# Altium PCB AL1000.PcbDoc (part 1 of 8) (continued)
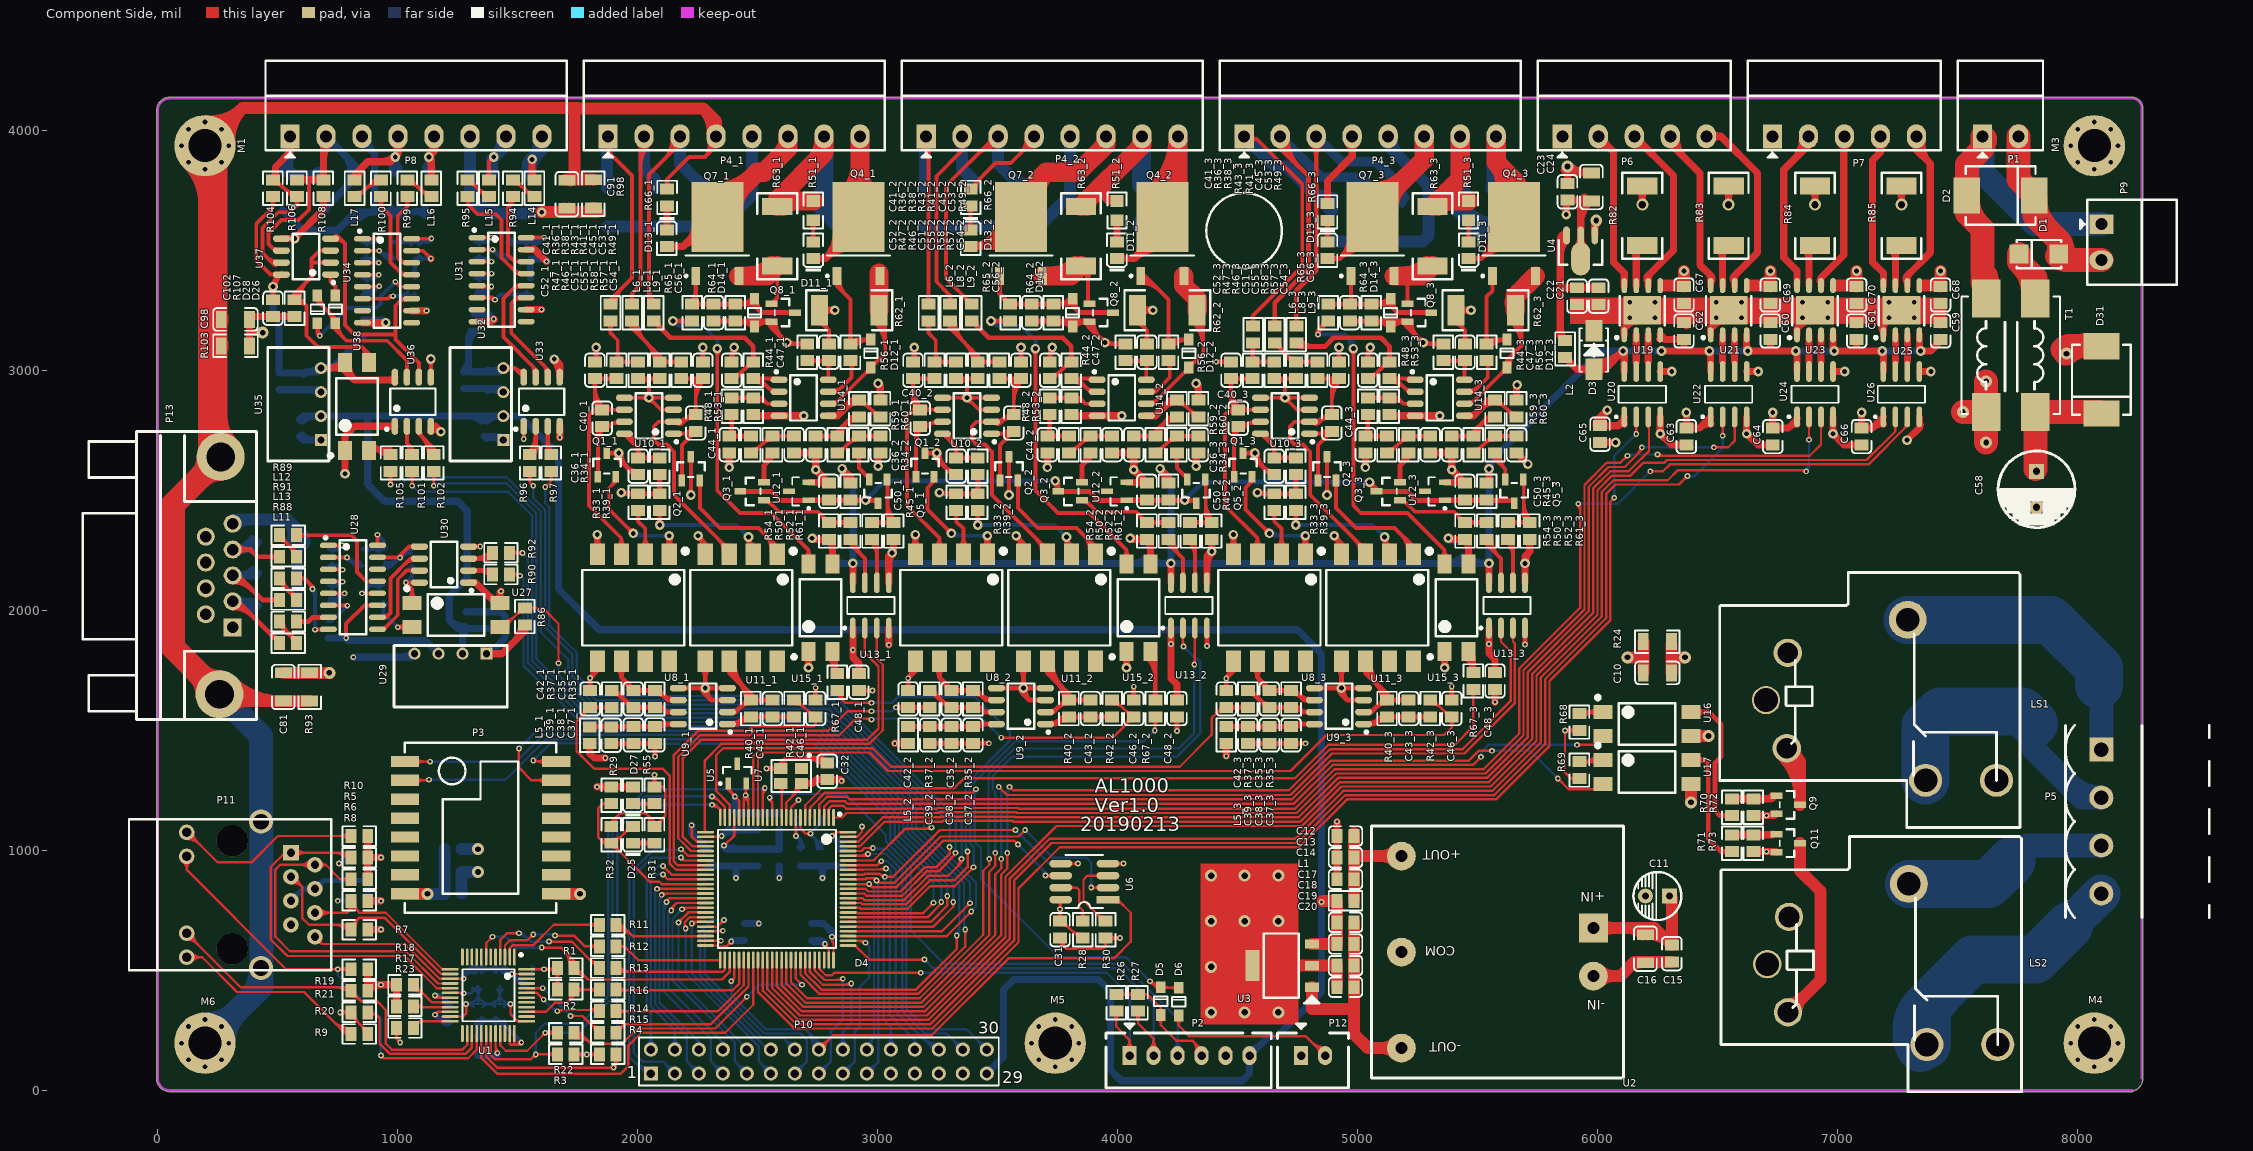
[diagram p0: Component Side view]
## Components (designator, comment, footprint, x,y, rotation, side; value= is the part's Value field where it differs from the comment)
C1 "100nF" 0805_C 840,790 r180 bottom
C2 "100nF" 0805_C 840,970 r180 bottom
C3 "100nF" 0805_C 1335,325 r270 bottom
C4 "100nF" 0805_C 1425,325 r270 bottom
C5 "100nF" 0805_C 1425,470 r90 bottom
C6 "10uF" 0805_C 1335,470 r270 bottom
C7 "100nF" 0805_C 1335,180 r90 bottom
C8 "100nF" 0805_C 1220,320 r90 bottom
C9 "100nF" 0805_C 1540,470 r270 bottom
C10 "100pF/2KV" 1206_C 6250,1740 r0 top
C11 "47uF/50V" CD1/2 6200,810 r90 top
C12 "10uF" 0805_C 4950,1060 r0 top
C13 "10uF" 0805_C 4950,970 r0 top
C14 "100nF" 0805_C 4950,880 r0 top
C15 "100nF" 0805_C 6310,570 r90 top
C16 "10uF/50V" 1206_C 6200,590 r90 top
C17 "10uF" 0805_C 4950,700 r180 top
C18 "100nF" 0805_C 4950,610 r180 top
C19 "10uF" 0805_C 4950,520 r180 top
C20 "100nF" 0805_C 4950,430 r180 top
C21 "10uF" 0805_C 6005,3310 r90 top
C22 "100nF" 0805_C 5915,3310 r90 top
C23 "100nF" 0805_C 5875,3745 r270 top
C24 "10uF/50V" 1206_C 5975,3765 r270 top
C25 "10uF" 0805_C 2500,1120 r90 bottom
C26 "100nF" 0805_C 2410,1120 r270 bottom
C27 "10uF" 0805_C 2500,970 r90 bottom
C28 "100nF" 0805_C 2410,970 r270 bottom
C29 "10pF" 0805_C 2680,970 r90 bottom
C30 "10pF" 0805_C 2770,970 r270 bottom
C31 "100nF" 0805_C 3760,670 r90 top
C32 "10nF" 0805_C 2790,1330 r270 top
C33 "10uF" 0805_C 1230,820 r180 bottom
C34 "100nF" 0805_C 1230,910 r0 bottom
C35_1 "1nF" 0805_C 1981.77,1631.42 r270 top (schematic designator C35)
C35_2 "1nF" 0805_C 3307.36,1631.42 r270 top (schematic designator C35)
C35_3 "1nF" 0805_C 4632.95,1631.42 r270 top (schematic designator C35)
C36_1 "100nF" 0805_C 2001.77,2601.42 r90 top (schematic designator C36)
C36_2 "100nF" 0805_C 3327.36,2601.42 r90 top (schematic designator C36)
C36_3 "100nF" 0805_C 4652.95,2601.42 r90 top (schematic designator C36)
C37_1 "10uF" 0805_C 2071.77,1481.42 r90 top (schematic designator C37)
C37_2 "10uF" 0805_C 3397.36,1481.42 r90 top (schematic designator C37)
C37_3 "10uF" 0805_C 4722.95,1481.42 r90 top (schematic designator C37)
C38_1 "100nF" 0805_C 1981.77,1481.42 r90 top (schematic designator C38)
C38_2 "100nF" 0805_C 3307.36,1481.42 r90 top (schematic designator C38)
C38_3 "100nF" 0805_C 4632.95,1481.42 r90 top (schematic designator C38)
C39_1 "100nF" 0805_C 1890,1480 r90 top (schematic designator C39)
C39_2 "100nF" 0805_C 3217.36,1481.42 r90 top (schematic designator C39)
C39_3 "100nF" 0805_C 4542.95,1481.42 r90 top (schematic designator C39)
C40_1 "1nF" 0805_C 1851.77,2801.38 r270 top (schematic designator C40)
C40_2 "1nF" 0805_C 3177.36,2801.38 r270 top (schematic designator C40)
C40_3 "1nF" 0805_C 4502.95,2801.38 r270 top (schematic designator C40)
C41_1 "10uF" 0805_C 1821.77,3001.42 r270 top (schematic designator C41)
C41_2 "10uF" 0805_C 3147.36,3001.42 r270 top (schematic designator C41)
C41_3 "10uF" 0805_C 4472.95,3001.42 r270 top (schematic designator C41)
C42_1 "100nF" 0805_C 1801.77,1631.42 r270 top (schematic designator C42)
C42_2 "100nF" 0805_C 3127.36,1631.42 r270 top (schematic designator C42)
C42_3 "100nF" 0805_C 4452.95,1631.42 r270 top (schematic designator C42)
C43_1 "1nF" 0805_C 2561.77,1591.42 r270 top (schematic designator C43)
C43_2 "1nF" 0805_C 3887.36,1591.42 r270 top (schematic designator C43)
C43_3 "1nF" 0805_C 5212.95,1591.42 r270 top (schematic designator C43)
C44_1 "1nF" 0805_C 2241.77,2781.42 r270 top (schematic designator C44)
C44_2 "1nF" 0805_C 3567.36,2781.42 r270 top (schematic designator C44)
C44_3 "1nF" 0805_C 4892.95,2781.42 r270 top (schematic designator C44)
C45_1 "100nF" 0805_C 2271.77,3001.42 r270 top (schematic designator C45)
C45_2 "100nF" 0805_C 3597.36,3001.42 r270 top (schematic designator C45)
C45_3 "100nF" 0805_C 4922.95,3001.42 r270 top (schematic designator C45)
C46_1 "100nF" 0805_C 2741.77,1591.42 r270 top (schematic designator C46)
C46_2 "100nF" 0805_C 4067.36,1591.42 r270 top (schematic designator C46)
C46_3 "100nF" 0805_C 5392.95,1591.42 r270 top (schematic designator C46)
C47_1 "100nF" 0805_C 2796.77,3076.38 r270 top (schematic designator C47)
C47_2 "100nF" 0805_C 4122.36,3076.38 r270 top (schematic designator C47)
C47_3 "100nF" 0805_C 5447.95,3076.38 r270 top (schematic designator C47)
C48_1 "100nF" 0805_C 2921.77,1701.42 r90 top (schematic designator C48)
C48_2 "100nF" 0805_C 4247.36,1591.42 r90 top (schematic designator C48)
C48_3 "100nF" 0805_C 5572.95,1706.42 r90 top (schematic designator C48)
C49_1 "100nF" 0805_C 2800,2245 r270 bottom (schematic designator C49)
C49_2 "100nF" 0805_C 4125,2244.96 r270 bottom (schematic designator C49)
C49_3 "100nF" 0805_C 5450,2255 r270 bottom (schematic designator C49)
C50_1 "100nF" 0805_C 2796.77,2496.38 r270 top (schematic designator C50)
C50_2 "100nF" 0805_C 4122.36,2496.38 r270 top (schematic designator C50)
C50_3 "100nF" 0805_C 5447.95,2496.38 r270 top (schematic designator C50)
C51_1 "100nF" 0805_C 2651.77,2691.38 r90 top (schematic designator C51)
C51_2 "100nF" 0805_C 3977.36,2691.38 r90 top (schematic designator C51)
C51_3 "100nF" 0805_C 5302.95,2691.38 r90 top (schematic designator C51)
C52_1 "100nF" 0805_C 2381.77,2691.38 r90 top (schematic designator C52)
C52_2 "100nF" 0805_C 3707.36,2691.38 r90 top (schematic designator C52)
C52_3 "100nF" 0805_C 5032.95,2691.38 r90 top (schematic designator C52)
C53_1 "100nF" 0805_C 2391.77,3001.38 r270 top (schematic designator C53)
C53_2 "100nF" 0805_C 3717.36,3001.38 r270 top (schematic designator C53)
C53_3 "100nF" 0805_C 5042.95,3001.38 r270 top (schematic designator C53)
C54_1 "100nF" 0805_C 3011.77,2691.38 r90 top (schematic designator C54)
C54_2 "100nF" 0805_C 4337.36,2691.38 r90 top (schematic designator C54)
C54_3 "100nF" 0805_C 5662.95,2691.38 r90 top (schematic designator C54)
C55_1 "100nF" 0805_C 2741.77,2691.38 r90 top (schematic designator C55)
C55_2 "100nF" 0805_C 4067.36,2691.38 r90 top (schematic designator C55)
C55_3 "100nF" 0805_C 5392.95,2691.38 r90 top (schematic designator C55)
C56_1 "100nF" 0805_C 2316.77,3241.42 r270 top (schematic designator C56)
C56_2 "100nF" 0805_C 3642.36,3241.42 r270 top (schematic designator C56)
C56_3 "100nF" 0805_C 4967.95,3241.42 r270 top (schematic designator C56)
C57 "100nF" 0805_C 2445,660 r90 bottom
C58 "100uF/50V" CD1.5/3.2 7830,2430 r180 top
C59 "100nF" 0805_C 7430,3165 r270 top
C60 "100nF" 0805_C 6720.71,3165 r270 top
C61 "100nF" 0805_C 7080,3165 r270 top
C62 "100nF" 0805_C 6360.71,3165 r270 top
C63 "100nF" 0805_C 6370.71,2725 r90 top
C64 "100nF" 0805_C 6730.71,2725 r90 top
C65 "100nF" 0805_C 6010.71,2735 r90 top
C66 "100nF" 0805_C 7100.71,2725 r90 top
C67 "100nF" 0805_C 6360.71,3315 r90 top
C68 "100nF" 0805_C 7430,3315 r90 top
C69 "100nF" 0805_C 6720.71,3315 r90 top
C70 "100nF" 0805_C 7080,3315 r90 top
C71 "100nF" 0805_C 710,2220 r270 bottom
C72 "100nF" 0805_C 850,2220 r270 bottom
C73 "100nF" 0805_C 710,2070 r90 bottom
C74 "100nF" 0805_C 940,2220 r270 bottom
C75 "100nF" 0805_C 1060,2220 r90 bottom
C76 "10uF" 0805_C 1285,1960 r270 bottom
C77 "100nF" 0805_C 1375,1960 r90 bottom
C78 "100nF" 0805_C 970,1840 r90 bottom
C79 "10uF" 0805_C 880,1840 r270 bottom
C80 "100nF" 0805_C 710,1920 r90 bottom
C81 "100pF/2KV" 1206_C 522.99,1681.34 r270 top
C82 "100nF" 0805_C 1322.99,3501.34 r270 bottom
C83 "100nF" 0805_C 1455,3500 r270 bottom
C84 "100nF" 0805_C 1322.99,3351.34 r90 bottom
C85 "100nF" 0805_C 1320,3200.04 r90 bottom
C86 "100nF" 0805_C 1365,2960 r270 bottom
C87 "100nF" 0805_C 1360,2760 r270 bottom
C88 "100nF" 0805_C 1555,3500.04 r270 bottom
C89 "10uF" 0805_C 1275,2960 r90 bottom
C90 "100nF" 0805_C 1552.99,3351.34 r270 bottom
C91 "100pF/2KV" 1206_C 1705,3735 r90 top
C92 "100nF" 0805_C 852.99,3499.41 r270 bottom
C93 "100nF" 0805_C 982.99,3501.34 r270 bottom
C94 "100nF" 0805_C 852.99,3349.41 r90 bottom
C95 "100nF" 0805_C 855,3175 r90 bottom
C96 "100nF" 0805_C 1072.99,3501.34 r270 bottom
C97 "100nF" 0805_C 1057.72,3349.41 r270 bottom
C98 "100pF/2KV" 1206_C 323.66,3212.99 r180 top
C99 "100nF" 0805_C 590,2760 r270 bottom
C100 "100nF" 0805_C 595,2955 r270 bottom
C101 "10uF" 0805_C 505,2955 r90 bottom
C102 "100nF" 0805_C 480,3260 r90 top
C103 "100nF" 0805_C 2290,970 r90 bottom
C104 "100nF" 0805_C 2725,660 r90 bottom
C105 "100nF" 0805_C 2860,970 r90 bottom
D1 "SS54" SMA(DO-214AC)_S1 7840,3485 r0 top
D2 "1.5SMC33CA" SMC(DO-214AB)_S1 7680,3730 r180 top
D3 "SMA6J5CA" SMA#1 5985,3005 r270 top
D4 "STM32F107VCT" LQFP-100_14x14x05P 2580,840 r180 top locked
D5 "1N4148W" SOD-123 4180,371.93 r270 top
D6 "1N4148W" SOD-123 4255,370 r270 top
D7_1 "M7" SMA(DO-214AC)_S1 2921.77,3681.38 r90 bottom (schematic designator D7)
D7_2 "M7" SMA(DO-214AC)_S1 4100,3690 r270 bottom (schematic designator D7)
D7_3 "M7" SMA(DO-214AC)_S1 5572.95,3681.38 r90 bottom (schematic designator D7)
D8_1 "SMAJ18A" SMA#1 2276.77,3600.28 r270 bottom (schematic designator D8)
D8_2 "SMAJ18A" SMA#1 3602.36,3600.28 r270 bottom (schematic designator D8)
D8_3 "SMAJ18A" SMA#1 5185,3538.5 r270 bottom (schematic designator D8)
D9_1 "SMAJ18A" SMA#1 2074.27,3600.28 r270 bottom (schematic designator D9)
D9_2 "SMAJ18A" SMA#1 3399.86,3600.28 r270 bottom (schematic designator D9)
D9_3 "SMAJ18A" SMA#1 5040,3538.5 r270 bottom (schematic designator D9)
D10_1 "SMAJ18A" SMA#1 1871.77,3600.28 r270 bottom (schematic designator D10)
D10_2 "SMAJ18A" SMA#1 3197.36,3600.28 r270 bottom (schematic designator D10)
D10_3 "SMAJ18A" SMA#1 4895,3538.5 r270 bottom (schematic designator D10)
D11_1 "红灯 0805" 0805_LED_S1 2731.77,3501.38 r90 top (schematic designator D11)
D11_2 "红灯 0805" 0805_LED_S1 3997.36,3501.38 r90 top (schematic designator D11)
D11_3 "红灯 0805" 0805_LED_S1 5462.95,3501.38 r90 top (schematic designator D11)
D12_1 "SMF12" SOD-123 2971.77,3071.38 r270 top (schematic designator D12)
D12_2 "SMF12" SOD-123 4297.36,3071.38 r270 top (schematic designator D12)
D12_3 "SMF12" SOD-123 5622.95,3071.38 r270 top (schematic designator D12)
D13_1 "红灯 0805" 0805_LED_S1 2121.77,3551.42 r270 top (schematic designator D13)
D13_2 "红灯 0805" 0805_LED_S1 3387.36,3551.42 r270 top (schematic designator D13)
D13_3 "红灯 0805" 0805_LED_S1 4875,3501.38 r270 top (schematic designator D13)
D14_1 "SMF12" SOD-123 2486.77,3241.42 r90 top (schematic designator D14)
D14_2 "SMF12" SOD-123 3812.36,3241.42 r90 top (schematic designator D14)
D14_3 "SMF12" SOD-123 5137.95,3241.42 r90 top (schematic designator D14)
D15 "SMAJ18A" SMA#1 581.1,2155 r0 bottom
D16 "SMAJ18A" SMA#1 581.1,2290 r0 bottom
D17 "SMAJ18A" SMA#1 581.1,2020 r0 bottom
D18 "SMAJ18A" SMA#1 1392.99,3653.86 r270 bottom
D19 "SMAJ18A" SMA#1 1542.99,3653.86 r270 bottom
D20 "SMAJ18A" SMA#1 990,3660 r270 bottom
D21 "SMAJ18A" SMA#1 1130,3660 r270 bottom
D22 "SMA6J5CA" SMA#1 682.99,3660 r270 bottom
D23 "SMA6J5CA" SMA#2 825,3740.98 r90 bottom
D24 "SMA6J5CA" SMA#1 540,3660 r270 bottom
D25 "红灯 0805" 0805_LED_S1 1980,1065 r90 top
D26 "1N4148W" SOD-123 740,3255 r270 top
D27 "红灯 0805" 0805_LED_S1 1980,1230 r90 top
D28 "1N4148W" SOD-123 665,3255 r90 top
D31 "1.5SMC33CA" SMC(DO-214AB)_S1 8100,2961.42 r90 top
L1 "GZ2012D101TF" 0805_L 4950,790 r180 top
L2 "GZ2012D101TF" 0805_L 5865,3090 r270 top
L3 "GZ2012D101TF" 0805_L 2590,970 r90 bottom
L4 "GZ2012D101TF" 0805_L 1230,1005 r0 bottom
L5_1 "GZ2012D101TF" 0805_L 1800,1480 r90 top (schematic designator L5)
L5_2 "GZ2012D101TF" 0805_L 3127.36,1481.42 r90 top (schematic designator L5)
L5_3 "GZ2012D101TF" 0805_L 4452.95,1481.42 r90 top (schematic designator L5)
L6_1 "GZ2012D101TF" 0805_L 1886.77,3241.38 r90 top (schematic designator L6)
L6_2 "GZ2012D101TF" 0805_L 3212.36,3241.38 r90 top (schematic designator L6)
L6_3 "GZ2012D101TF" 0805_L 4565,3150 r90 top (schematic designator L6)
L8_1 "GZ2012D101TF" 0805_L 1976.77,3241.38 r90 top (schematic designator L8)
L8_2 "GZ2012D101TF" 0805_L 3302.36,3241.38 r90 top (schematic designator L8)
L8_3 "GZ2012D101TF" 0805_L 4655,3150 r90 top (schematic designator L8)
L9_1 "GZ2012D101TF" 0805_L 2066.77,3241.38 r270 top (schematic designator L9)
L9_2 "GZ2012D101TF" 0805_L 3392.36,3241.38 r270 top (schematic designator L9)
L9_3 "GZ2012D101TF" 0805_L 4745,3150 r270 top (schematic designator L9)
L11 "GZ2012D101TF" 0805_L 542.99,1863.86 r180 top
L12 "GZ2012D101TF" 0805_L 542.99,2223.86 r180 top
L13 "GZ2012D101TF" 0805_L 542.99,2043.86 r180 top
L14 "GZ2012D101TF" 0805_L 1570,3760 r90 top
L15 "GZ2012D101TF" 0805_L 1380,3760 r90 top
L16 "GZ2012D101TF" 0805_L 1140,3760 r90 top
L17 "GZ2012D101TF" 0805_L 820,3760 r90 top
LS1 "NT90RN1C" NT90HCE12CE 7772.99,2161.34 r270 top
LS2 "NT90RN1C" NT90HCE12CE 7778.19,1060.63 r270 top
M1 "Header 9" LK 196.85,3937.01 r0 top
M3 "Header 9" LK 8070.87,3937.01 r0 top
M4 "Header 9" LK 8070.87,196.85 r0 top
M5 "Header 9" LK 3740.16,196.85 r0 top
M6 "Header 9" LK 196.85,196.85 r0 top
P1 "24V" MC1.5/2-ST-3.81 7604.72,3976.38 r0 top
P2 "Header 6" TJC3-6A 4050,145 r0 top
P3 "ESP-07S" ESP-07S 1345,1095 r0 top
P4_1 "Header 8" MC1.5/8-ST-3.81 1876.77,3976.38 r0 top (schematic designator P4)
P4_2 "Header 8" MC1.5/8-ST-3.81 3202.36,3976.38 r0 top (schematic designator P4)
P4_3 "Header 8" MC1.5/8-ST-3.81 4527.95,3976.38 r0 top (schematic designator P4)
P5 "机械泵" "MSTBV 2.5/4-G-5.08" 8100,1420 r270 top
P6 "Header 5" MC1.5/5-ST-3.81 5853.54,3976.38 r0 top
P7 "Header 5" MC1.5/5-ST-3.81 6729.13,3976.38 r0 top
P8 "Header 8" MC1.5/8-ST-3.81 551.18,3976.38 r0 top
P9 "24V" MC1.5/2-ST-3.81 8100,3610 r270 top
P10 "Header 15X2" HDR2X15 2055,70 r0 top
P11 "HY911105AE" HANRUN-A8 310,1040 r270 top
P12 "BAT" TJC3-2A 4765,145 r0 top
P13 "DB9/F" DB9P/F 312,1930 r270 top
Q1_1 "MMBT5401 2L" SOT-23(SOT-23-3) 1871.77,2606.38 r270 top (schematic designator Q1)
Q1_2 "MMBT5401 2L" SOT-23(SOT-23-3) 3197.36,2606.38 r270 top (schematic designator Q1)
Q1_3 "MMBT5401 2L" SOT-23(SOT-23-3) 4522.95,2606.38 r270 top (schematic designator Q1)
Q2_1 "MMBT5401 2L" SOT-23(SOT-23-3) 2221.77,2591.42 r270 top (schematic designator Q2)
Q2_2 "MMBT5401 2L" SOT-23(SOT-23-3) 3547.36,2591.42 r270 top (schematic designator Q2)
Q2_3 "MMBT5401 2L" SOT-23(SOT-23-3) 4872.95,2591.42 r270 top (schematic designator Q2)
Q3_1 "2N7002" SOT-23(SOT-23-3) 2476.77,2496.38 r0 top (schematic designator Q3)
Q3_2 "2N7002" SOT-23(SOT-23-3) 3802.36,2496.38 r0 top (schematic designator Q3)
Q3_3 "2N7002" SOT-23(SOT-23-3) 5127.95,2496.38 r0 top (schematic designator Q3)
Q4_1 "IRLR024N" TO-252AA_N 2920.79,3571.42 r90 top (schematic designator Q4)
Q4_2 "IRLR024N" TO-252AA_N 4186.38,3571.42 r90 top (schematic designator Q4)
Q4_3 "IRLR024N" TO-252AA_N 5651.97,3571.42 r90 top (schematic designator Q4)
Q5_1 "2N7002" SOT-23(SOT-23-3) 3001.77,2496.38 r90 top (schematic designator Q5)
Q5_2 "2N7002" SOT-23(SOT-23-3) 4327.36,2496.38 r90 top (schematic designator Q5)
Q5_3 "2N7002" SOT-23(SOT-23-3) 5652.95,2496.38 r90 top (schematic designator Q5)
Q7_1 "IRFR5305" TO-252AA_N 2331.77,3571.38 r90 top (schematic designator Q7)
Q7_2 "IRFR5305" TO-252AA_N 3597.36,3571.38 r90 top (schematic designator Q7)
Q7_3 "IRFR5305" TO-252AA_N 5062.95,3571.38 r90 top (schematic designator Q7)
Q8_1 "MMBT5401 2L" SOT-23(SOT-23-3) 2606.77,3241.42 r180 top (schematic designator Q8)
Q8_2 "MMBT5401 2L" SOT-23(SOT-23-3) 3932.36,3241.42 r180 top (schematic designator Q8)
Q8_3 "MMBT5401 2L" SOT-23(SOT-23-3) 5257.95,3241.42 r180 top (schematic designator Q8)
Q9 "MMBT5401 2L" SOT-23(SOT-23-3) 6795,1190 r180 top
Q11 "MMBT5401 2L" SOT-23(SOT-23-3) 6795,1030 r180 top
R1 "2K2" 0805_R 1700,510 r180 top
R2 "2K2" 0805_R 1700,420 r180 top
R3 "1K5" 0805_R 1700,150 r0 top
R4 "1K5" 0805_R 1875,150 r180 top
R5 "49.9" 0805_R 840,970 r0 top
R6 "49.9" 0805_R 840,880 r0 top
R7 "49.9" 0805_R 840,670 r0 top
R8 "49.9" 0805_R 840,790 r0 top
R9 "220" 0805_R 840,235 r0 top
R10 "220" 0805_R 840,1060 r0 top
R11 "33" 0805_R 1875,690 r0 top
R12 "33" 0805_R 1875,600 r0 top
R13 "33" 0805_R 1875,510 r0 top
R14 "33" 0805_R 1875,330 r0 top
R15 "33" 0805_R 1875,240 r0 top
R16 "33" 0805_R 1875,420 r0 top
R17 "2K2" 0805_R 1030,350 r180 top
R18 "2K2" 0805_R 1030,440 r180 top
R19 "2K2" 0805_R 840,505 r0 top
R20 "2K2" 0805_R 840,325 r180 top
R21 "2K2" 0805_R 840,415 r0 top
R22 "33" 0805_R 1700,240 r0 top
R23 "4.87K" 0805_R 1030,260 r0 top
R24 "1M" 1206_R 6250,1870 r0 top
R25 "1K" 0805_R 2590,1120 r90 bottom
R26 "100K" 0805_R 3995,365 r90 top
R27 "100K" 0805_R 4085,365 r90 top
R28 "10K" 0805_R 3855,669.96 r270 top
R29 "NI" 0805_R 1890,1230 r270 top
R30 "10K" 0805_R 3950,669.96 r270 top
R31 "1K" 0805_R 2070,1065 r90 top
R32 "10K" 0805_R 1890,1065 r90 top
R33_1 "330" 0805_R 2001.77,2451.42 r270 top (schematic designator R33)
R33_2 "330" 0805_R 3327.36,2451.42 r270 top (schematic designator R33)
R33_3 "330" 0805_R 4652.95,2451.42 r270 top (schematic designator R33)
R34_1 "330" 0805_R 2091.77,2601.42 r270 top (schematic designator R34)
R34_2 "330" 0805_R 3417.36,2601.42 r270 top (schematic designator R34)
R34_3 "330" 0805_R 4742.95,2601.42 r270 top (schematic designator R34)
R35_1 "100K" 0805_R 2071.77,1631.42 r90 top (schematic designator R35)
R35_2 "100K" 0805_R 3397.36,1631.42 r90 top (schematic designator R35)
R35_3 "100K" 0805_R 4722.95,1631.42 r90 top (schematic designator R35)
R36_1 "200K" 0805_R 1911.77,3001.42 r90 top (schematic designator R36)
R36_2 "200K" 0805_R 3237.36,3001.42 r90 top (schematic designator R36)
R36_3 "200K" 0805_R 4562.95,3001.42 r90 top (schematic designator R36)
R37_1 "100" 0805_R 1891.77,1631.42 r270 top (schematic designator R37)
R37_2 "100" 0805_R 3217.36,1631.42 r270 top (schematic designator R37)
R37_3 "100" 0805_R 4542.95,1631.42 r270 top (schematic designator R37)
R38_1 "10K" 0805_R 2001.77,3001.42 r90 top (schematic designator R38)
R38_2 "10K" 0805_R 3327.36,3001.42 r90 top (schematic designator R38)
R38_3 "10K" 0805_R 4652.95,3001.42 r90 top (schematic designator R38)
R39_1 "330" 0805_R 2091.77,2451.42 r270 top (schematic designator R39)
R39_2 "330" 0805_R 3417.36,2451.42 r270 top (schematic designator R39)
R39_3 "330" 0805_R 4742.95,2451.42 r270 top (schematic designator R39)
R40_1 "100K" 0805_R 2471.77,1591.42 r90 top (schematic designator R40)
R40_2 "100K" 0805_R 3797.36,1591.42 r90 top (schematic designator R40)
R40_3 "100K" 0805_R 5122.95,1591.42 r90 top (schematic designator R40)
R41_1 "200K" 0805_R 2181.77,3001.42 r90 top (schematic designator R41)
R41_2 "200K" 0805_R 3507.36,3001.42 r90 top (schematic designator R41)
R41_3 "200K" 0805_R 4832.95,3001.42 r90 top (schematic designator R41)
R42_1 "100" 0805_R 2651.77,1591.42 r90 top (schematic designator R42)
R42_2 "100" 0805_R 3977.36,1591.42 r90 top (schematic designator R42)
R42_3 "100" 0805_R 5302.95,1591.42 r90 top (schematic designator R42)
R43_1 "10K" 0805_R 2091.77,3001.42 r90 top (schematic designator R43)
R43_2 "10K" 0805_R 3417.36,3001.42 r90 top (schematic designator R43)
R43_3 "10K" 0805_R 4742.95,3001.42 r90 top (schematic designator R43)
R44_1 "330" 0805_R 2706.77,3076.38 r270 top (schematic designator R44)
R44_2 "330" 0805_R 4032.36,3076.38 r270 top (schematic designator R44)
R44_3 "330" 0805_R 5357.95,3076.38 r270 top (schematic designator R44)
R45_1 "1K" 0805_R 2886.77,2496.38 r90 top (schematic designator R45)
R45_2 "1K" 0805_R 4212.36,2496.38 r90 top (schematic designator R45)
R45_3 "1K" 0805_R 5537.95,2496.38 r90 top (schematic designator R45)
R46_1 "100K" 0805_R 2561.77,2691.38 r270 top (schematic designator R46)
R46_2 "100K" 0805_R 3887.36,2691.38 r270 top (schematic designator R46)
R46_3 "100K" 0805_R 5212.95,2691.38 r270 top (schematic designator R46)
R47_1 "100K" 0805_R 2471.77,2691.38 r270 top (schematic designator R47)
R47_2 "100K" 0805_R 3797.36,2691.38 r270 top (schematic designator R47)
R47_3 "100K" 0805_R 5122.95,2691.38 r270 top (schematic designator R47)
R48_1 "5.1KΩ" 0805_R 2391.77,2851.42 r270 top (schematic designator R48)
R48_2 "5.1KΩ" 0805_R 3717.36,2851.42 r270 top (schematic designator R48)
R48_3 "5.1KΩ" 0805_R 5042.95,2851.42 r270 top (schematic designator R48)
R49_1 "100" 0805_R 2481.77,3001.38 r270 top (schematic designator R49)
R49_2 "100" 0805_R 3807.36,3001.38 r270 top (schematic designator R49)
R49_3 "100" 0805_R 5132.95,3001.38 r270 top (schematic designator R49)
R50_1 "1K" 0805_R 2886.77,2331.38 r90 top (schematic designator R50)
R50_2 "1K" 0805_R 4212.36,2331.38 r90 top (schematic designator R50)
R50_3 "1K" 0805_R 5537.95,2331.38 r90 top (schematic designator R50)
R51_1 "22K" R0805 2731.77,3666.38 r270 top (schematic designator R51)
R51_2 "22K" R0805 3997.36,3666.38 r270 top (schematic designator R51)
R51_3 "22K" R0805 5462.95,3666.38 r270 top (schematic designator R51)
R52_1 "1K" 0805_R 2976.77,2331.38 r90 top (schematic designator R52)
R52_2 "1K" 0805_R 4302.36,2331.38 r90 top (schematic designator R52)
R52_3 "1K" 0805_R 5627.95,2331.38 r90 top (schematic designator R52)
R53_1 "10KΩ" 0805_R 2481.77,2851.42 r270 top (schematic designator R53)
R53_2 "10KΩ" 0805_R 3807.36,2851.42 r270 top (schematic designator R53)
R53_3 "10KΩ" 0805_R 5132.95,2851.42 r270 top (schematic designator R53)
R54_1 "100K" 0805_R 2796.77,2331.38 r270 top (schematic designator R54)
R54_2 "100K" 0805_R 4122.36,2331.38 r270 top (schematic designator R54)
R54_3 "100K" 0805_R 5447.95,2331.38 r270 top (schematic designator R54)
R55 "1K" 0805_R 2070,1230 r90 top
R56_1 "1K" 0805_R 2886.77,3076.38 r270 top (schematic designator R56)
R56_2 "1K" 0805_R 4212.36,3076.38 r270 top (schematic designator R56)
R56_3 "1K" 0805_R 5537.95,3076.38 r270 top (schematic designator R56)
R57_1 "100K" 0805_R 2921.77,2691.38 r270 top (schematic designator R57)
R57_2 "100K" 0805_R 4247.36,2691.38 r270 top (schematic designator R57)
R57_3 "100K" 0805_R 5572.95,2691.38 r270 top (schematic designator R57)
R58_1 "100K" 0805_R 2831.77,2691.38 r270 top (schematic designator R58)
R58_2 "100K" 0805_R 4157.36,2691.38 r270 top (schematic designator R58)
R58_3 "100K" 0805_R 5482.95,2691.38 r270 top (schematic designator R58)
R59_1 "5.1KΩ" 0805_R 2921.77,2841.38 r270 top (schematic designator R59)
R59_2 "5.1KΩ" 0805_R 4247.36,2841.38 r270 top (schematic designator R59)
R59_3 "5.1KΩ" 0805_R 5572.95,2841.38 r270 top (schematic designator R59)
R60_1 "10KΩ" 0805_R 3011.77,2841.38 r90 top (schematic designator R60)
R60_2 "10KΩ" 0805_R 4337.36,2841.38 r90 top (schematic designator R60)
R60_3 "10KΩ" 0805_R 5662.95,2841.38 r90 top (schematic designator R60)
R61_1 "100K" 0805_R 3066.77,2331.38 r270 top (schematic designator R61)
R61_2 "100K" 0805_R 4392.36,2331.38 r270 top (schematic designator R61)
R61_3 "100K" 0805_R 5717.95,2331.38 r270 top (schematic designator R61)
R62_1 "33R" R2512 2758.31,3251.42 r0 top (schematic designator R62)
R62_2 "33R" R2512 4083.9,3251.42 r0 top (schematic designator R62)
R62_3 "33R" R2512 5409.49,3251.42 r0 top (schematic designator R62)
R63_1 "0.33" R2512 2581.77,3436.38 r90 top (schematic designator R63)
R63_2 "0.33" R2512 3847.36,3436.38 r90 top (schematic designator R63)
R63_3 "0.33" R2512 5312.95,3436.38 r90 top (schematic designator R63)
R64_1 "10K" 0805_R 2406.77,3241.42 r270 top (schematic designator R64)
R64_2 "10K" 0805_R 3732.36,3241.42 r270 top (schematic designator R64)
R64_3 "10K" 0805_R 5057.95,3241.42 r270 top (schematic designator R64)
R65_1 "10K" 0805_R 2226.77,3241.38 r270 top (schematic designator R65)
R65_2 "10K" 0805_R 3552.36,3241.38 r270 top (schematic designator R65)
R65_3 "10K" 0805_R 4877.95,3241.38 r270 top (schematic designator R65)
R66_1 "22K" 0805_R 2122.46,3721.42 r90 top (schematic designator R66)
R66_2 "22K" 0805_R 3388.05,3721.42 r90 top (schematic designator R66)
R66_3 "22K" 0805_R 4875,3661 r90 top (schematic designator R66)
R67_1 "330" 0805_R 2831.77,1701.42 r90 top (schematic designator R67)
R67_2 "330" 0805_R 4157.36,1591.42 r90 top (schematic designator R67)
R67_3 "330" 0805_R 5482.95,1706.42 r90 top (schematic designator R67)
R68 "510" 0805_R 5925,1535 r270 top
R69 "510" 0805_R 5925,1335 r270 top
R70 "10K" 0805_R 6560,1180 r90 top
R71 "10K" 0805_R 6560,1030 r90 top
R72 "10K" 0805_R 6650,1180 r270 top
R73 "10K" 0805_R 6650,1030 r270 top
R82 "0.33" R2512 6186.77,3521.38 r90 top
R83 "0.33" R2512 6546.77,3521.38 r90 top
R84 "0.33" R2512 6906.77,3521.38 r90 top
R85 "0.33" R2512 7266.77,3521.38 r90 top
R86 "10K" 0805_R 1530,1975 r90 top
R87 "2K2" 0805_R 940,2070 r90 bottom
R88 "100" 0805_R 542.99,1953.86 r0 top
R89 "100" 0805_R 542.99,2313.86 r0 top
R90 "33" 0805_R 1430,2150 r180 top
R91 "100" 0805_R 542.99,2133.86 r0 top
R92 "33" 0805_R 1430,2240 r0 top
R93 "1M" 1206_R 632.99,1681.34 r270 top
R94 "100" 0805_R 1480,3760 r270 top
R95 "100" 0805_R 1290,3760 r270 top
R96 "33" 0805_R 1550,2615 r90 top
R97 "33" 0805_R 1640,2615 r270 top
R98 "1M" 1206_R 1815,3736.34 r90 top
R99 "100" 0805_R 1040,3760 r270 top
R100 "100" 0805_R 930,3760 r270 top
R101 "33" 0805_R 1060,2615 r90 top
R102 "33" 0805_R 1150,2615 r270 top
R103 "1M" 1206_R 323.66,3102.99 r180 top
R104 "20K" 0805_R 480,3760 r90 top
R105 "1K" 0805_R 970,2615 r90 top
R106 "120" 0805_R 580,3760 r90 top
R107 "10K" 0805_R 570,3260 r270 top
R108 "20K" 0805_R 690,3760 r270 top
T1 "ACM9070-701-2PL-TL01" ACM1211 7722.36,3063.78 r90 top
U1 "DP83848CVVX" LQFP-48_7x7x05P 1377.99,396.34 r180 top
U2 "VRB2405YMD-6WR3" DC/DC-1X1 5982.99,676.32 r180 top
U3 "LD1117AG-33" SOT-223 4810,520 r90 top
U4 "HT7550-1" SOT-89(SOT-89-3) 5930,3563.43 r90 top
U5 "LM4040AIM3-2.5" MF03A_N 2415,1320 r90 top
U6 "FM25W256" SO8 3960,795 r180 top
U7 "SG-310SCF 25MHZ 3.3V" SMD-3225_4P 2640,1310 r180 top
U8_1 "HCNR201" SMD-8_9.0mm 1981.77,2011.42 r180 top (schematic designator U8)
U8_2 "HCNR201" SMD-8_9.0mm 3307.36,2011.42 r180 top (schematic designator U8)
U8_3 "HCNR201" SMD-8_9.0mm 4632.95,2011.42 r180 top (schematic designator U8)
U9_1 "LM2904-SR" SOIC-8_150mil 2271.77,1601.42 r90 top (schematic designator U9)
U9_2 "LM2904-SR" SOIC-8_150mil 3597.36,1601.42 r90 top (schematic designator U9)
U9_3 "LM2904-SR" SOIC-8_150mil 4922.95,1601.42 r90 top (schematic designator U9)
U10_1 "LM2904-SR" SOIC-8_150mil 2046.77,2811.38 r90 top (schematic designator U10)
U10_2 "LM2904-SR" SOIC-8_150mil 3372.36,2811.38 r90 top (schematic designator U10)
U10_3 "LM2904-SR" SOIC-8_150mil 4697.95,2811.38 r90 top (schematic designator U10)
U11_1 "HCNR201" SMD-8_9.0mm 2431.77,2011.42 r180 top (schematic designator U11)
U11_2 "HCNR201" SMD-8_9.0mm 3757.36,2011.42 r180 top (schematic designator U11)
U11_3 "HCNR201" SMD-8_9.0mm 5082.95,2011.42 r180 top (schematic designator U11)
U12_1 "LM4040AIM3-2.5" MF03A_N 2671.77,2496.38 r180 top (schematic designator U12)
U12_2 "LM4040AIM3-2.5" MF03A_N 3997.36,2496.38 r180 top (schematic designator U12)
U12_3 "LM4040AIM3-2.5" MF03A_N 5322.95,2496.38 r180 top (schematic designator U12)
U13_1 "ADUM1200AR" ADI-R-8_N 2971.77,2021.42 r90 top (schematic designator U13)
U13_2 "ADUM1200AR" ADI-R-8_N 4297.36,2021.42 r90 top (schematic designator U13)
U13_3 "ADUM1200AR" ADI-R-8_N 5622.95,2021.42 r90 top (schematic designator U13)
U14_1 "LM2904-SR" SOIC-8_150mil 2691.77,2886.38 r270 top (schematic designator U14)
U14_2 "LM2904-SR" SOIC-8_150mil 4017.36,2886.38 r270 top (schematic designator U14)
U14_3 "LM2904-SR" SOIC-8_150mil 5342.95,2886.38 r270 top (schematic designator U14)
U15_1 "EL817S1(C)(TU)-F" LC-SMD-4 2761.77,2011.42 r90 top (schematic designator U15)
U15_2 "EL817S1(C)(TU)-F" LC-SMD-4 4087.36,2011.42 r90 top (schematic designator U15)
U15_3 "EL817S1(C)(TU)-F" LC-SMD-4 5412.95,2011.42 r90 top (schematic designator U15)
U16 "EL817S1(C)(TU)-F" LC-SMD-4 6206.34,1527.01 r0 top
U17 "EL817S1(C)(TU)-F" LC-SMD-4 6206.34,1327.01 r0 top
U19 "A4950" LC-SOIC-8_EP_150mil 6186.77,3251.38 r0 top
U20 "ADUM1200AR" ADI-R-8_N 6186.77,2901.38 r90 top
U21 "A4950" LC-SOIC-8_EP_150mil 6546.77,3251.38 r0 top
U22 "ADUM1200AR" ADI-R-8_N 6546.77,2901.38 r90 top
U23 "A4950" LC-SOIC-8_EP_150mil 6906.77,3251.38 r0 top
U24 "ADUM1200AR" ADI-R-8_N 6906.77,2901.38 r90 top
U25 "A4950" LC-SOIC-8_EP_150mil 7266.77,3251.38 r0 top
U26 "ADUM1200AR" ADI-R-8_N 7266.77,2901.38 r90 top
U27 "EL817S1(C)(TU)-F" LC-SMD-4 1242.99,1981.34 r0 top
U28 "MAX232ESE" SOIC-16_150mil 813.15,2096.34 r270 top
U29 "B0505LS-1WR2" MORNSUN-BM 1220,1820 r180 top
U30 "ADUM1201ARZ-RL7" SOIC-8_150mil 1192.99,2191.34 r90 top
U31 "MAX232ESE" SOIC-16_150mil 1432.99,3378.86 r270 top
U32 "B0505LS-1WR2" MORNSUN-BM 1440,2860 r90 top
U33 "ADUM1201ARZ-RL7" SOIC-8_150mil 1600,2870 r0 top
U34 "MAX232ESE" SOIC-16_150mil 955.35,3374.41 r270 top
U35 "B0505LS-1WR2" MORNSUN-BM 680,2860 r90 top
U36 "ADUM1201ARZ-RL7" SOIC-8_150mil 1062.99,2870 r0 top
U37 "SP485EEN-L/TR" SOIC-8_150mil 617.64,3475 r90 top
U38 "EL817S1(C)(TU)-F" LC-SMD-4 830,2850 r90 top
Y1 "32.768KHz ±20ppm 12.5pF" "SMD-3215_2P FC - 135" 2720,1140 r0 bottom

## Footprints (in the part's own frame and the unit in brackets; to place one, negate y for a bottom-side part, rotate by r counter-clockwise, add the part's x,y. Pads: shape width x height; smd on the part's side, far side on the other; paste and mask are expansions set on the pad)
0805_C [mm]
  rect 1.16x1.47 smd: 1(-0.89,0) 2(0.89,0)
  silkscreen extent -1.77,-1.04 1.77,1.04, body extent -1,-0.63 1,0.62, height 0.77
0805_L [mm]
  rect 1.16x1.47 smd: 1(-0.89,0) 2(0.89,0)
  silkscreen extent -1.77,-1.04 1.77,1.03, body extent -1.02,-0.64 1.03,0.64, height 0.6
0805_LED_S1 [mm]
  rect 1.16x1.47 smd: A(0.89,0) K(-0.89,0)
  silkscreen extent -2.24,-1.04 1.77,1.03, body extent -1.01,-0.62 1.01,0.62, height 1.1
0805_R [mm]
  rect 1.16x1.47 smd: 1(-0.89,0) 2(0.89,0)
  silkscreen extent -1.77,-1.04 1.77,1.03, body extent -1,-0.62 1,0.63, height 0.49
1206_C [mm]
  rect 1.13x1.8 smd: 1(-1.49,0) 2(1.49,0)
  silkscreen extent -2.36,-1.2 2.35,1.2, body extent -1.6,-0.81 1.6,0.79, height 1
1206_R [mm]
  rect 1.13x1.8 smd: 1(-1.49,0) 2(1.49,0)
  silkscreen extent -2.36,-1.2 2.35,1.2, body extent -1.7,-0.86 1.65,0.87, height 0.85
ACM1211 [mm] "TDK Common Mode Filters"
  rect 4x3 smd: 1(-6,2.6) 2(-6,-2.6) 3(6,-2.6) 4(6,2.6)
  silkscreen extent -6.2,-5.2 6.2,5.2
ADI-R-8_N [mm] "SOIC, 8-Leads, Body 4.9x3.9mm, Pitch 1.27mm, IPC Medium Density"
  oval 2.2x0.6 smd: 1(-2.4,1.905) 2(-2.4,0.635) 3(-2.4,-0.635) 4(-2.4,-1.905) 5(2.4,-1.905) 6(2.4,-0.635) 7(2.4,0.635) 8(2.4,1.905)
  silkscreen extent -2.52,-2.5 0.9,2.88, body extent -2,-2.5 2,2.5, height 1.75
CD1.5/3.2 [mil]
  rect 62x62 hole 30: 1(0,-150)
  round 62 hole 30: 2(0,0)
  silkscreen extent -160,-235 160,85
CD1/2 [mil]
  rect 62x62 hole 30: 1(0,-100)
  round 62 hole 30: 2(0,0)
  silkscreen extent -100,-150 100,50
DB9P/F [mil]
  rect 75x75 hole 48: 1(0,0)
  round 75 hole 48: 2(-108,0) 3(-216,0) 4(-324,0) 5(-432,0) 6(-54,-112) 7(-162,-112) 8(-270,-112) 9(-378,-112)
  round 200 hole 120: 10(-710,-50) 11(279,-55)
  silkscreen extent -816,-625 384,100
DC/DC-1X1 [mil]
  rect 120x120 hole 51: 1(0,0)
  round 120 hole 51: 2(0,200) 3(800,500) 4(800,100) 5(800,-300)
  silkscreen extent -125,-425 925,625
ESP-07S [mm]
  rect 3x1.2 smd: 1(-8,7) 2(-8,5) 3(-8,3) 4(-8,1) 5(-8,-1) 6(-8,-3) 7(-8,-5) 8(-8,-7) 9(8,-7) 10(8,-5) 11(8,-3) 12(8,-1) 13(8,1) 14(8,3) 15(8,5) 16(8,7)
  silkscreen extent -8,-9 8,9
HANRUN-A8 [mil]
  rect 65x65 hole 35: 1(50,245)
  round 65 hole 35: 2(100,345) 3(150,245) 4(200,345) 5(250,245) 6(300,345) 7(350,245) 8(400,345)
  round 65 hole 40: 9(-35.04,-189.92) 10(64.96,-189.92) 11(384.96,-189.92) 12(484.96,-189.92)
  round 100 hole 65: 13(-80,120) 14(530,120)
  round 130 hole 130: A(0,0) B(450,0)
  silkscreen extent -90,-430 540,413
HDR2X15 [mm] "Connector; Header; 15x2 Position"
  rect 1.5x1.5 hole 0.9: 1(0,0)
  round 1.5 hole 0.9: 2(0,2.54) 3(2.54,0) 4(2.54,2.54) 5(5.08,0) 6(5.08,2.54) 7(7.62,0) 8(7.62,2.54) 9(10.16,0) 10(10.16,2.54) 11(12.7,0) 12(12.7,2.54) 13(15.24,0) 14(15.24,2.54) 15(17.78,0) 16(17.78,2.54) 17(20.32,0) 18(20.32,2.54) 19(22.86,0) 20(22.86,2.54) 21(25.4,0) 22(25.4,2.54) 23(27.94,0) 24(27.94,2.54) 25(30.48,0) 26(30.48,2.54) 27(33.02,0) 28(33.02,2.54) 29(35.56,0) 30(35.56,2.54)
  silkscreen extent -1.27,-1.27 36.83,3.81
LC-SMD-4 [mm]
  rect 2x1.5 smd: 1(-4.65,1.27) 2(-4.65,-1.27) 3(4.65,-1.27) 4(4.65,1.27)
  silkscreen extent -5.4,-2.2 3,3, body extent -5.02,-2.42 5.01,2.42, height 3.9
LC-SOIC-8_EP_150mil [mm]
  rect 4x3 smd: 0(0,0)
  oval 0.6x1.6 smd: 1(-1.905,-2.6) 2(-0.635,-2.6) 3(0.635,-2.6) 4(1.905,-2.6) 5(1.905,2.6) 6(0.635,2.6) 7(-0.635,2.6) 8(-1.905,2.6)
  silkscreen extent -2.85,-3.05 2.4,1.5
LK [mm]
  round 6.5 hole 3.5: 1(0,0)
  round 1 hole 0.5: 2(0,2.5) 3(2.5,0) 4(0,-2.5) 5(-1.75,-1.75) 6(-1.75,1.75) 7(1.75,1.75) 8(1.75,-1.75) 9(-2.5,0)
LQFP-48_7x7x05P [mm]
  oval 0.28x1.8 smd mask+0.051: 1(-2.75,-4.05) 2(-2.25,-4.05) 3(-1.75,-4.05) 4(-1.25,-4.05) 5(-0.75,-4.05) 6(-0.25,-4.05) 7(0.25,-4.05) 8(0.75,-4.05) 9(1.25,-4.05) 10(1.75,-4.05) 11(2.25,-4.05) 12(2.75,-4.05) 25(2.75,4.05) 26(2.25,4.05) 27(1.75,4.05) 28(1.25,4.05) 29(0.75,4.05) 30(0.25,4.05) 31(-0.25,4.05) 32(-0.75,4.05) 33(-1.25,4.05) 34(-1.75,4.05) 35(-2.25,4.05) 36(-2.75,4.05)
  oval 1.8x0.28 smd mask+0.051: 13(4.05,-2.75) 14(4.05,-2.25) 15(4.05,-1.75) 16(4.05,-1.25) 17(4.05,-0.75) 18(4.05,-0.25) 19(4.05,0.25) 20(4.05,0.75) 21(4.05,1.25) 22(4.05,1.75) 23(4.05,2.25) 24(4.05,2.75) 37(-4.05,2.75) 38(-4.05,2.25) 39(-4.05,1.75) 40(-4.05,1.25) 41(-4.05,0.75) 42(-4.05,0.25) 43(-4.05,-0.25) 44(-4.05,-0.75) 45(-4.05,-1.25) 46(-4.05,-1.75) 47(-4.05,-2.25) 48(-4.05,-2.75)
  silkscreen extent -3.6,-4.42 2.75,2.75, body extent -4.5,-4.5 4.5,4.5, height 1.6
LQFP-100_14x14x05P [mm]
  oval 0.28x1.8 smd mask+0.051: 1(-6,-7.55) 2(-5.5,-7.55) 3(-5,-7.55) 4(-4.5,-7.55) 5(-4,-7.55) 6(-3.5,-7.55) 7(-3,-7.55) 8(-2.5,-7.55) 9(-2,-7.55) 10(-1.5,-7.55) 11(-1,-7.55) 12(-0.5,-7.55) 13(0,-7.55) 14(0.5,-7.55) 15(1,-7.55) 16(1.5,-7.55) 17(2,-7.55) 18(2.5,-7.55) 19(3,-7.55) 20(3.5,-7.55) 21(4,-7.55) 22(4.5,-7.55) 23(5,-7.55) 24(5.5,-7.55) 25(6,-7.55) 51(6,7.55) 52(5.5,7.55) 53(5,7.55) 54(4.5,7.55) 55(4,7.55) 56(3.5,7.55) 57(3,7.55) 58(2.5,7.55) 59(2,7.55) 60(1.5,7.55) 61(1,7.55) 62(0.5,7.55) 63(0,7.55) 64(-0.5,7.55) 65(-1,7.55) 66(-1.5,7.55) 67(-2,7.55) 68(-2.5,7.55) 69(-3,7.55) 70(-3.5,7.55) 71(-4,7.55) 72(-4.5,7.55) 73(-5,7.55) 74(-5.5,7.55) 75(-6,7.55)
  oval 1.8x0.28 smd mask+0.051: 26(7.55,-6) 27(7.55,-5.5) 28(7.55,-5) 29(7.55,-4.5) 30(7.55,-4) 31(7.55,-3.5) 32(7.55,-3) 33(7.55,-2.5) 34(7.55,-2) 35(7.55,-1.5) 36(7.55,-1) 37(7.55,-0.5) 38(7.55,0) 39(7.55,0.5) 40(7.55,1) 41(7.55,1.5) 42(7.55,2) 43(7.55,2.5) 44(7.55,3) 45(7.55,3.5) 46(7.55,4) 47(7.55,4.5) 48(7.55,5) 49(7.55,5.5) 50(7.55,6) 76(-7.55,6) 77(-7.55,5.5) 78(-7.55,5) 79(-7.55,4.5) 80(-7.55,4) 81(-7.55,3.5) 82(-7.55,3) 83(-7.55,2.5) 84(-7.55,2) 85(-7.55,1.5) 86(-7.55,1) 87(-7.55,0.5) 88(-7.55,0) 89(-7.55,-0.5) 90(-7.55,-1) 91(-7.55,-1.5) 92(-7.55,-2) 93(-7.55,-2.5) 94(-7.55,-3) 95(-7.55,-3.5) 96(-7.55,-4) 97(-7.55,-4.5) 98(-7.55,-5) 99(-7.55,-5.5) 100(-7.55,-6)
  silkscreen extent -6.8,-8.05 6.25,6.25
MC1.5/2-ST-3.81 [mil]
  rect 80x100 hole 50: 1(0,0)
  oval 80x100 hole 50: 2(150,0)
  silkscreen extent -102,-89 252,315
MC1.5/5-ST-3.81 [mil]
  rect 80x100 hole 50: 1(0,0)
  oval 80x100 hole 50: 2(150,0) 3(300,0) 4(450,0) 5(600,0)
  silkscreen extent -102,-89 702,315
MC1.5/8-ST-3.81 [mil]
  rect 80x100 hole 50: 1(0,0)
  oval 80x100 hole 50: 2(150,0) 3(300,0) 4(450,0) 5(600,0) 6(750,0) 7(900,0) 8(1050,0)
  silkscreen extent -102,-89 1152,315
MF03A_N [mm] "SOT23, 3-Leads, Body 2.9x1.3mm, Pitch 0.95mm, Lead Span 2.4mm, IPC Medium Density"
  rect 1.3x0.6 smd: 1(-1.05,0.95) 2(-1.05,-0.95) 3(1.05,0)
  silkscreen extent -1.17,-1.5 0.7,1.92, body extent -0.7,-1.52 0.7,1.52, height 1.12
MORNSUN-BM [mil]
  rect 50x50 hole 30: 1(-150,0)
  round 50 hole 30: 2(-50,0) 3(50,0) 4(150,0)
  silkscreen extent -236,-34 236,222
"MSTBV 2.5/4-G-5.08" [mil]
  rect 100x100 hole 60: 1(0,0)
  round 100 hole 60: 2(200,0) 3(400,0) 4(600,0)
  silkscreen extent -101,-150 701,450
NT90HCE12CE [mm]
  round 4 hole 2.5: 1(5.08,-12.192)
  round 3.5 hole 2.5: 2(22.08,-2.792) 3(22.08,-10.292)
  round 3 hole 2.2: 4(18.68,-24.992) 5(8.58,-24.892)
  round 3 hole 2.5: 6(13.58,-27.192)
  silkscreen extent 0.08,-32.09 27.08,-0.29
R0805 [mil] "Chip Capacitor, Body 2.0x1.3mm, IPC High Density"
  rect 50x55.12 smd: 1(-40,0) 2(40,0)
  silkscreen extent -75,-40 75,40, body extent -43,-30 43,30, height 55
R2512 [mm]
  rect 1.8x3.2 smd: 1(0,0) 2(6.3,0)
  silkscreen extent -1.4,-2.1 7.7,2.1
SMA#1 [mil]
  rect 90x70.87 smd: 1(0,0) 2(-161.1,0)
  silkscreen extent -171,-59 10,59, body extent -170,-60 10,60, height 40
SMA#2 [mil]
  rect 70.87x70.87 smd: 1(-90.55,0) 2(90.55,0)
  silkscreen extent -91,-59 91,59
SMA(DO-214AC)_S1 [mm]
  rect 2x2 smd: 1(2.1,0) 2(-2.1,0)
  silkscreen extent -2.35,-1.5 2.35,1.5
SMC(DO-214AB)_S1 [mil]
  rect 110x150 smd: 1(140.49,0) 2(-140.49,0)
  silkscreen extent -146,-122 146,122
SMD-8_9.0mm [mm]
  rect 1.6x2.3 smd: 1(-3.81,-5.65) 2(-1.27,-5.65) 3(1.27,-5.65) 4(3.81,-5.65) 5(3.81,5.65) 6(1.27,5.65) 7(-1.27,5.65) 8(-3.81,5.65)
  silkscreen extent -5.75,-6.25 5.4,4
"SMD-3215_2P FC - 135" [mm]
  rect 1x1.8 smd: 1(-1.25,0) 2(1.25,0)
  silkscreen extent -2.05,-1.2 2.05,1.2
SMD-3225_4P [mm]
  rect 1.4x1.15 smd: 1(-1.1,-0.8) 2(1.1,-0.8) 3(1.1,0.8) 4(-1.1,0.8)
  silkscreen extent -2.1,-2.35 2.1,1.7, body extent -1.6,-1.25 1.6,1.25, height 0.61
SO8 [mm]
  rect 2.4x0.8 smd: 1(0,0)
  oval 2.4x0.8 smd: 2(0,-1.27) 3(0,-2.54) 4(0,-3.81) 5(5,-3.81) 6(5,-2.54) 7(5,-1.27) 8(5,0)
  silkscreen extent 0.5,-4.7 4.5,0.89
SOD-123 [mm]
  rect 1.25x1 smd: 1(1.475,0) 2(-1.475,0)
  silkscreen extent -0.5,-0.7 0.5,0.7, body extent -1.85,-0.77 1.85,0.78, height 1.35
SOIC-8_150mil [mm]
  oval 0.7x1.8 smd: 1(-1.905,-2.6) 2(-0.635,-2.6) 3(0.635,-2.6) 4(1.905,-2.6) 5(1.905,2.6) 6(0.635,2.6) 7(-0.635,2.6) 8(-1.905,2.6)
  silkscreen extent -2.9,-3.05 2.4,1.4
SOIC-16_150mil [mm]
  oval 0.6x1.8 smd: 1(-4.445,-2.6) 2(-3.175,-2.6) 3(-1.905,-2.6) 4(-0.635,-2.6) 5(0.635,-2.6) 6(1.905,-2.6) 7(3.175,-2.6) 8(4.445,-2.6) 9(4.445,2.6) 10(3.175,2.6) 11(1.905,2.6) 12(0.635,2.6) 13(-0.635,2.6) 14(-1.905,2.6) 15(-3.175,2.6) 16(-4.445,2.6)
  silkscreen extent -5.4,-3.05 4.97,1.4, body extent -4.95,-2.97 4.95,3.03, height 1.75
SOT-23(SOT-23-3) [mm]
  rect 1.25x0.7 smd: 1(1.25,-0.95) 2(1.25,0.95) 3(-1.25,0)
  silkscreen extent -0.65,-1.46 0.9,1.46, body extent -1.5,-1.5 1.5,1.5, height 1.3
SOT-89(SOT-89-3) [mm]
  oval 1.9x0.7 smd: 1(0,-1.5) 3(0,1.5)
  oval 3.5x2 smd: 2(-2.5,0)
  oval 2.1x0.7 smd: 2(-0.1,0)
  silkscreen extent -3.1,-2.3 -0.5,2.3, body extent -3.75,-2.25 0.55,2.25, height 1.51
SOT-223 [mm]
  rect 1x1.5 smd: 1(-2.286,0) 2(0,0) 3(2.286,0)
  rect 3.3x1.5 smd: 4(0,6.299)
  silkscreen extent -4,-0.8 3.4,5.1
TJC3-2A [mm]
  rect 1.5x2 hole 0.9: 1(0,0)
  oval 1.5x2 hole 0.9: 2(2.54,0)
  silkscreen extent -2.5,-3.4 5,3.35
TJC3-6A [mm]
  rect 1.5x2 hole 0.9: 1(0,0)
  oval 1.5x2 hole 0.9: 2(2.54,0) 3(5.08,0) 4(7.62,0) 5(10.16,0) 6(12.7,0)
  silkscreen extent -2.5,-3.4 15,3.35
TO-252AA_N [mm] "D-PAK, 4-Leads, Body 6.1x6.5mm, Pitch 2.28mm, Lead Span 9.9mm, IPC Medium Density"
  rect 1.9x0.95 smd: 1(-4.5,2.28) 3(-4.5,-2.28)
  rect 7.4x5.5 smd: 4(1.75,0)
  silkscreen extent -4.62,-3.35 -2.35,3.43, body extent -2.25,-3.37 4.1,3.37, height 2.38